# KiCad board PROC099A_PCB-PcbDoc.kicad_pcb (continued)
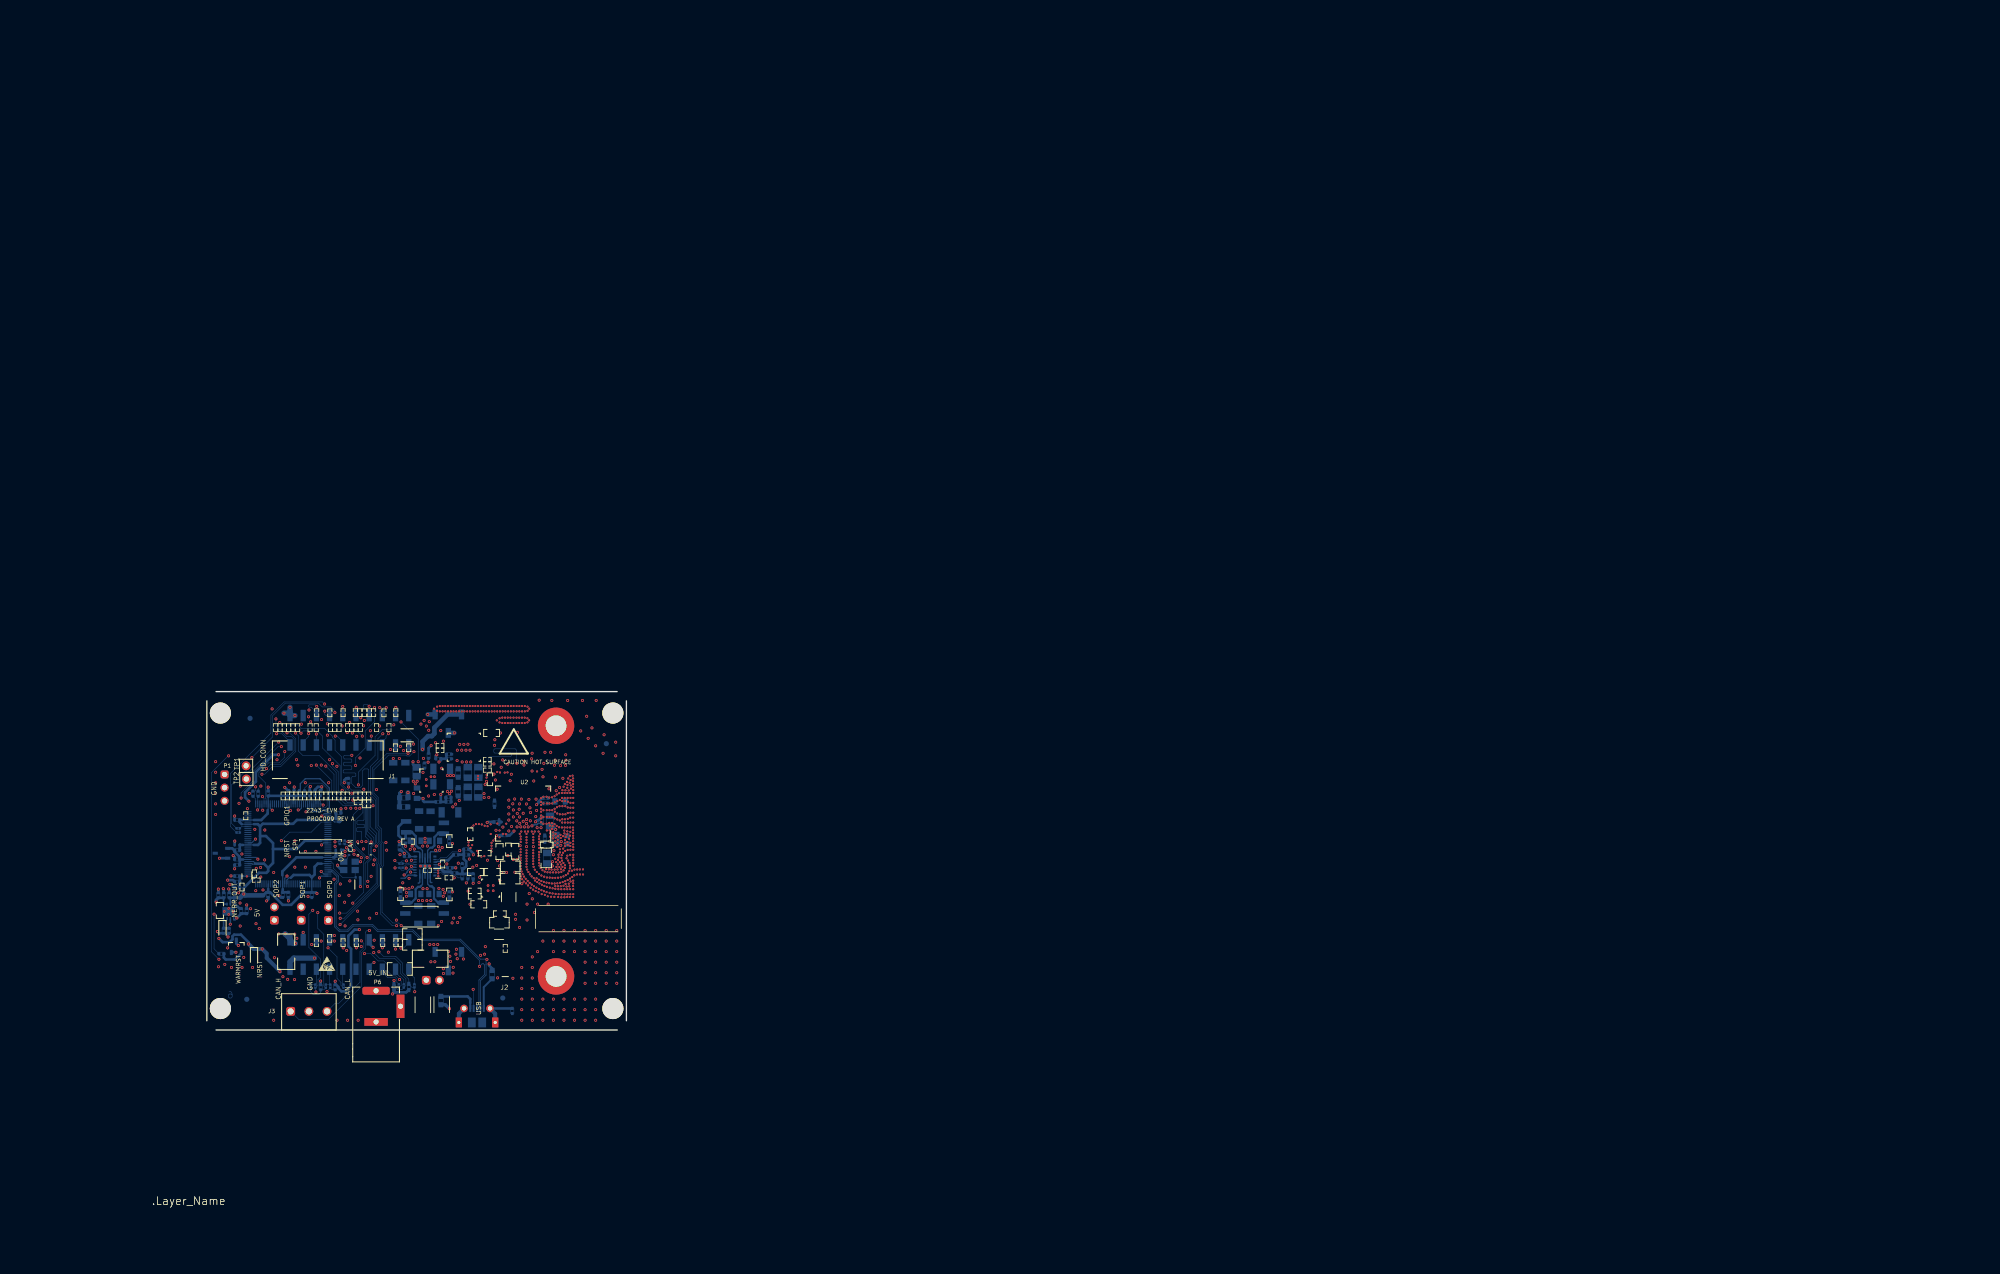
[diagram p0: board, top side]
## Nets (continued)
Pads without a net: FID1 1; FID2 1; FID3 1; FID4 1; FID5 1; FID6 1; FID7 1; J1 15 17 19 21 23 25 27 29 31 33 35 37 39 41 43 45 47 49; J5 3 11; J6 4 7 20; J8 7 8; NOREF 0 1; SW1 1 3; SW2 1 3; U2 B15 D1; U5 9 17; U6 2 3 4 5 6 11 12 13 14 15 18 19 20 21 22 23 24 27 29 30 31 32 41 42 43 44 45 46 49 50 53 54 56 57 65 67 71 72 73 74 75 76 77 78 81 82 83 84 85 86 91 92 97 98 99 100 102 103 104 105 106 107 108 109 110 111 112 116 117 118 119 120 121 123 124 125 126 127 128; U7 3; U9 7; U13 9 12

## Via types
v1: diameter 0.569, hole 0.31, Top to Bottom, 621 vias
v2: diameter 0.4, hole 0.15, Top to Bottom, 508 vias
v3: diameter 0.5, hole 0.2, Top to Bottom, 15 vias

## Routing (per net, layer and track width the routed paths; a pad name or vN(x,y) marks a point on that pad's centre or on a via; arc(x,y) is an arc through that point)
3V3_BRD: length 164.1
  In2.Cu w0.508: v1(38.93,29.2) 37.31,29.2 34.71,26.6 30.87,26.6 30.2,27.28 30.2,27.87 27.93,30.14 24.11,30.14 23.19,29.23 23.19,28.26 v1(21.2,26.28)
  Bottom w0.203: 15.77,45.08 15.77,45.09 ; 22.09,32.03 23.31,32.03 U6.90 ; 16.17,29.31 15.84,29.31 15.41,28.88 U6.113 ; C42.2 15.77,44.68 15.59,44.5 15.19,44.5 15.01,44.32 U6.47 ; 6.96,40.43 9.05,40.43 ; 20.21,26.48 20.21,29.39 ; 21.84,40.44 21.85,40.43 24.21,40.43 24.58,40.05 25.29,40.05 ; 21.94,36.43 U6.79 ; U6.52 17.01,44.87 16.79,45.09 16.61,44.9 U6.51 ; U6.8 8.99,32.43 9.32,32.1 9.32,32.03 9.22,31.93 8.76,31.93 8.66,32.03 U6.7 ; 6.96,35.63 9.02,35.63 ; 11.81,27.17 U6.122 ; 11.81,42.45 11.81,45.03 ; 6.72,39.63 9.08,39.63
  Bottom w0.213: 11.81,45.03 11.82,45.04 ; 11.7,42.34 11.81,42.45 ; 20.21,26.48 20.21,26.48 ; 25.29,40.05 25.3,40.07
  Bottom w0.305: 5.84,23.86 5.47,24.23 U9.4 5.18,25.27 5.37,25.46 ; 4.31,25.46 4.53,25.24 U9.3
  Bottom w0.508: 25.3,40.07 25.58,40.07 25.81,40.3 25.81,40.72 ; 12.74,34.85 12.74,35.98 11.38,37.34 10.26,37.34 ; 12.74,34.85 12.74,32.15 11.81,31.21 ; 12.74,34.85 17.29,34.85 18.87,36.43 21.94,36.43 ; 6.33,34.6 6.33,35.61 6.35,35.63 6.96,35.63 ; 11.8,26.51 11.81,26.52 11.81,27.17 ; 11.8,26.51 11.43,26.51 10.84,25.92 ; 11.8,26.51 12.19,26.51 14.6,24.1 16.24,24.1 18.62,26.48 21,26.48 v1(21.2,26.28) ; 11.81,31.21 10.99,32.03 9.32,32.03 ; 11.81,31.21 11.81,30.6 11.47,30.26 10.03,30.26 7.11,27.34 v1(7.11,26.17) ; 9.02,35.63 9.87,35.63 10.26,36.02 10.26,37.34 ; 16.17,29.31 16.71,29.84 19.75,29.84 20.21,29.39 20.75,29.93 20.75,31.42 21.36,32.03 22.09,32.03 ; 9.05,40.43 10.47,40.43 11.7,41.66 11.7,42.34 ; 10.26,37.34 10.26,39.19 ; 5.84,23.86 6.32,23.38 6.62,23.38 ; 10.26,39.19 9.82,39.63 9.08,39.63 ; 10.26,39.19 10.76,39.7 16.61,39.7 17.34,40.44 21.84,40.44 ; 11.82,45.04 11.87,45.09 16.79,45.09 16.8,45.1 18.81,45.1 ; 6.72,39.63 6.32,40.03 6.32,40.43 6.32,40.43 6.96,40.43 ; 4.31,25.46 6.39,25.46
  Bottom w0.889: 6.39,25.46 v1(7.11,26.17) 7.36,25.92 10.84,25.92
  In7.Cu w0.381: 47.28,30.21 R183.2 47.85,30.21 48.32,29.73 48.32,29.1 47.94,28.71 45.84,28.71 45.54,29.02 42.4,29.02 41.81,29.61 41.81,29.78 ; v1(7.11,26.17) 6.77,26.51 R188.1 6.42,27.2 6.18,27.44 R184.2 6.18,29.39
  In7.Cu w0.508: v1(38.93,29.2) 40.72,29.2 41.3,29.78 R179.2 41.81,29.78 ; R187.2 7.71,26.78 v1(7.11,26.17)
3V3_MON_XDS_1: length 2.7
  Bottom w0.305: 3.23,19.59 3.23,21.23
  Bottom w0.508: 3.23,19.59 4.27,19.59 4.28,19.59
5V_IN: length 69
  In2.Cu w0.508: v1(51.28,28.24) 51.28,28.77 49.8,30.24 44.74,30.24 43.8,31.18 43.8,32.22 42.41,33.61 38.62,33.61 38.31,33.3 37.91,33.3 36.53,31.92 35.94,31.92 35.84,31.82 v1(32.05,31.82)
  Bottom w0.508: v1(2.32,17.63) 3.03,16.92 4.42,16.92 4.94,17.44 4.94,18.04 5.25,18.35 6.56,18.35 8.05,16.87 v1(8.05,16.56) ; v1(51.28,28.24) 51.28,28.25 R149.2 51.28,29.1
  Bottom w0.762: v1(8.05,16.56) 9.01,15.6 v1(10.66,15.6) 11.53,14.73 11.53,13.87 14.07,11.33 v1(14.07,11.25)
  In7.Cu w0.508: R78.2 31.4,31.82 v1(32.05,31.82) ; 8.78,16.58 8.1,16.58 8.1,16.56 v1(8.05,16.56) ; v1(51.28,28.24) 50.55,27.52 50.39,27.52 50.34,27.47 50.03,27.47 46.24,23.67 46.24,19.73 44.99,18.48 FB2.2 FB1.2 ; v1(10.66,15.6) 10.66,14.78 10.45,14.57 ; 2.32,16.83 v1(2.32,17.63)
  In7.Cu w0.762: R176.2 1.19,20.89 1.19,18.24 1.8,17.63 v1(2.32,17.63)
  vias: v1(14.65,10.26) v1(15.56,9.75) v1(16.88,9.7) v1(41.22,58.9) v1(41.83,59.61) v1(42.26,58.52) v1(42.72,57.71) v1(42.82,59.36)
5V_UNREG: length 45.2
  Bottom w0.254: U8.18 44.9,31.32 45,31.42 45.61,31.42 45.8,31.23 C68.2 46.21,31.31 v1(46.21,31.97) ; U8.22 43.01,28.52 43.13,28.39 43.33,28.39 ; U8.26 41.01,28.48 40.81,28.29 40.67,28.29 ; 44.51,34.32 43.15,34.32 43.01,34.18 U8.13 ; U8.9 41.01,34.12 40.79,34.33 39.84,34.33
  In6.Cu w0.1: 46.23,11.99 46.23,10.97 46.74,10.97 46.74,11.99 ; 43.69,14.53 43.69,15.54 44.2,15.54 44.2,14.53 ; 49.28,14.53 49.28,15.54 48.77,15.54 48.77,14.53 ; 42.68,11.99 50.3,11.99 50.3,14.53 42.68,14.53 42.68,11.99
  In7.Cu w0.635: v1(46.91,13.21) 46.88,13.18 46.03,13.18 45.43,13.77 ; 45.43,13.77 46.35,13.77 v1(46.78,14.2) ; 45.43,13.77 45.43,14.33 46.2,15.09 v1(46.55,15.09)
  vias: v1(38.2,27.17) v1(38.42,26.45) v1(38.42,25.74) v1(38.91,27.22) v1(39.16,34.79) v1(39.52,35.42) v1(39.57,27.5) v1(39.95,34.84) v1(44.06,34.6) v1(44.59,35.29) v1(44.67,27.27) v1(44.82,34.62) v1(45.3,35.14) v1(45.49,27.06) v1(45.51,25.74) v1(45.53,11.78) v1(45.79,26.4) v1(47.43,12.07) v1(47.95,14.61)
+3.3VD: length 257.2
  In2.Cu w0.508: v1(56.94,51.99) 56.94,54.39 v1(55.44,55.89) 54.61,56.71 48.27,56.71 46.2,54.64 44.68,54.64 v1(44.01,55.31) ; v1(21.91,9.42) 21.94,9.39 v1(24.71,9.39) 34.61,9.39 35.76,8.24 v1(35.76,6.93) ; v1(37.43,45.9) 37.43,47.38 41.69,51.64 v1(41.69,52.3)
  In2.Cu w0.635: v1(32.24,34.59) 32.97,34.59 v1(34.47,36.09)
  In2.Cu w0.762: P4.2 25.71,23.65 27.48,21.89 27.48,21.2 v1(29.36,19.32)
  In2.Cu w0.889: v1(3.44,36.12) 3.44,33.54 4.7,32.28 6.19,32.28 8.21,30.26 8.21,26.33 8.58,25.97 8.58,25.11 ; 8.58,25.11 8.88,24.8 8.88,23.8 v1(8.43,23.35) ; 8.58,25.11 7.05,25.11 v1(6.39,24.45) ; P4.2 23.4,25.65 24.76,27.01 26.27,27.01 v1(27.35,25.93)
  In2.Cu w1.016: P4.2 22.04,23.65 21.58,24.12 18.61,24.12 P2.2 13.01,23.68 P3.2 8.75,23.67
  In3.Cu w0.508: v1(13.81,52.98) 12.54,54.25 12.54,57.86 13.05,58.37 17.69,58.37 v1(18.22,58.89) 19.58,60.25 v1(19.58,60.3) 18.65,61.22 18.65,61.99 20.35,63.69 23.56,63.69 27.14,60.11 v1(29.63,60.11) 29.68,60.11 30.61,61.04 41.51,61.04 42.18,61.71 44.21,61.71 46.17,59.75 46.17,57.47 v1(44.01,55.31) 44.01,54.16 42.15,52.3 v1(41.69,52.3)
  In3.Cu w0.635: v1(27.35,25.93) 28.43,27.02 28.43,28.46 30.69,30.72 32.05,30.72 32.94,31.62 32.94,33.13 32.24,33.84 v1(32.24,34.59)
  In3.Cu w0.762: v1(56.94,51.99) 57.05,52.11 58.29,52.11 58.83,51.56 58.83,50.41 59.63,49.61 59.63,48.62 59.01,47.99 v1(58.39,47.99)
  In3.Cu w1.016: v1(2.24,12.17) 1.85,12.17 1.24,12.78 1.24,14.93 3.22,16.9 5.4,16.9 8.43,19.93 v1(8.43,23.35)
  Bottom w0.508: 38.88,7.79 38.88,7.76 38.37,7.25 36.34,7.25 ; 36.34,7.25 36.02,7.57 R171.2 36.02,7.79 ; 36.34,7.25 36.07,7.25 v1(35.76,6.93) ; v1(24.71,9.39) R172.2 24.87,8.72 25.32,8.27 25.32,8.04 25.91,7.45 26.69,7.45 27.76,8.52 27.76,15.62 27.25,16.13 27.25,18.13 28.43,19.32 v1(29.36,19.32) ; R173.2 v1(21.91,9.42) ; v1(13.81,52.98) 12.77,52.98 9.44,49.66 9.44,47.83 7.36,45.75 7.36,44.79 v1(8.1,44.06)
  Bottom w0.635: v1(37.43,45.9) 37.12,45.59 R130.2
  Bottom w0.762: R130.2 37.08,44.69 R133.2
  In7.Cu w0.2: U13.14 v1(32.24,34.59)
  In7.Cu w0.254: v1(27.35,25.93) 28.07,26.66 32.93,26.66 34.27,25.32 R178.1
  In7.Cu w0.305: U2.R13 57.64,47.17
  In7.Cu w0.381: R38.2 44.22,55.51 v1(44.01,55.31) ; 42.68,53.67 42.68,53.28 v1(41.69,52.3)
  In7.Cu w0.5: R189.2 v1(2.24,12.17)
  In7.Cu w0.508: v1(34.47,36.09) 34.47,35.61 R125.2 ; C90.2 32.94,34.59 v1(32.24,34.59) ; v1(29.63,60.11) 29.63,59.52 R15.2 ; 7.7,23.35 v1(8.43,23.35) ; R68.2 8.12,44.08 v1(8.1,44.06) 7.35,43.31 7.35,43.19 6.52,42.35 6.52,39.2 v1(3.44,36.12) 3.44,35.14 ; R91.2 v1(6.39,24.45) ; 29.08,25.34 27.69,25.34 27.68,25.35 27.68,25.6 v1(27.35,25.93) ; 18.82,59.93 19.21,59.93 v1(19.58,60.3) ; R37.1 v1(55.44,55.89) ; 57.64,47.17 C5.1 57.66,47.99 v1(58.39,47.99) ; R41.2 v1(56.94,51.99) ; v1(18.22,58.89) 18.82,58.89
GND: length 338.8
  Bottom w0.203: U6.58 19.41,42.33 v1(19.09,42.01) ; U6.48 15.41,42.75 15.92,42.24 v1(16.1,42.24) ; v1(22.4,43.31) 22.18,43.53 U6.64 ; v1(9.82,32.89) 9.49,33.23 U6.10 ; U6.55 18.21,42.7 17.88,42.37 v1(17.6,42.37) ; U6.66 22.57,41.63 v1(22.14,41.2) ; U6.17 8.64,36.03 v1(9.37,36.75) ; v1(15.44,29.64) 15.01,29.21 U6.114 ; v1(22.09,35.64) 22.48,36.03 U6.80
  Bottom w0.25: U8.11 v3(42.01,31.57) U8.24
  Bottom w0.254: U8.17 44.67,31.82 v1(44.75,31.9) ; U8.4 39.75,31.32 39.57,31.5 v1(39.36,31.5)
  Bottom w0.29: 64.51,39.78 63.76,39.78 63.54,39.55 63.52,39.55 63.51,39.55 63.06,39.55 63.05,39.55 63.03,39.55 62.78,39.3
  Bottom w0.305: v1(4.51,20.37) 4.53,20.37 4.53,21.23 ; v1(62.59,39.3) 62.78,39.3
  Bottom w0.508: R132.1 41.83,43.92 41.63,44.13 v1(41.63,44.59) 40.45,44.59 ; v1(5.35,41.2) 5.34,41.2 5.34,40.43 ; v1(53.97,39.95) 54.04,39.95 54.13,40.04 C53.2 55.29,40.04 ; v1(25.16,31.73) 25.16,31.56 25.93,30.8 Y2.4 ; v1(47.92,31.22) 47.91,31.23 C68.1 ; C64.1 v1(26.57,33.55) ; R119.1 42.69,54.28 v1(43.17,54.76) ; 5.35,32.83 5.35,33.3 v1(5.07,33.58) ; 5.36,35.63 5.36,36.37 v1(5.38,36.37) ; 21.84,46.06 22.12,46.34 v1(22.12,46.81) 21.38,46.81 20.84,46.27 R126.2 20.84,46.06 ; v1(15.7,24.86) 15.7,25.52 C74.1 ; v1(7.67,24.08) R157.1 7.67,23.37 ; 5.36,29.62 C69.1 5.33,29.62 5.28,29.67 v1(4.64,29.67) ; C56.2 55.81,37.49 v1(55.75,37.42) ; v1(26.61,34.35) 26.32,34.65 25.83,34.65 ; v1(3.17,27.2) 3.26,27.11 C79.1 3.26,26.43 ; v1(11.8,46.76) 11.8,46.75 11.8,46.04 11.82,46.02 ; C76.1 11.8,25.15 v1(11.51,24.85) ; 16.79,46.07 16.79,46.74 v1(16.83,46.79) ; v1(19.93,46.89) 19.82,46.77 R194.1 19.82,46.06 ; 5.35,26.44 6.01,26.44 6.01,26.42 v1(6.12,26.42) ; R138.1 37.1,36.21 v1(37.01,36.3) ; v1(4.44,28.03) 4.7,28.03 5.3,27.44 R153.1 5.37,27.44 ; v1(39.69,51.65) 39.69,51.14 40.22,50.62 40.4,50.62 ; v1(15.01,46.71) 15.65,46.07 15.77,46.07 ; Y2.2 v1(29.58,32.4) ; v1(51.3,33.73) 51.3,33.99 50.49,34.8 R139.1 50.42,34.8 ; v1(2.22,27.13) C80.1 2.22,26.42 ; 4.28,18.63 R158.1 4.08,18.41 v1(4.08,17.91) ; R121.1 44.07,52.8 v1(44.27,52.99) ; 14.62,25.54 14.21,25.54 v1(13.86,25.88) ; R196.1 26.83,48.47 26.45,48.08 v1(26.45,47.61) ; v1(29.56,27.61) 29.56,29.38 ; 2.43,33.08 3.97,33.08 ; C49.1 v1(25.83,42.59) ; v1(26.88,35.09) 27.37,34.6 ; v1(5.35,31.04) 5.35,31.78 ; 4.72,14.97 v1(5.61,14.97)
  Bottom w0.635: J5.4 v1(18.55,18.79) ; R175.1 45.93,4.86 v1(46.69,4.1) ; 66.06,39.33 66.43,39.33 v1(67.15,38.61)
  Bottom w0.889: J4.2 v1(47.64,57.2) ; v1(42.54,60.76) J4.1
  Bottom w1.016: 16.01,61.01 J6.2 v1(16.96,60.53) ; 16.01,61.01 v1(14.85,61.01) ; 16.01,61.01 v1(16.01,62.13)
  In5.Cu w0.1: 1.91,16.16 3.71,16.16 3.71,15.46 1.91,15.46 1.91,16.16 ; 50.31,26.23 52.81,26.23 52.81,27.33 50.31,27.33 50.31,26.23 ; 54.75,33.5 54.75,34.6 52.25,34.6 52.25,33.5 54.75,33.5 ; 8.38,28.23 9.08,28.23 9.08,26.43 8.38,26.43 8.38,28.23 ; 53.29,54.46 55.09,54.46 55.09,55.16 53.29,55.16 53.29,54.46 ; 20.91,34.87 20.91,35.87 22.91,35.87 22.91,34.87 20.91,34.87 ; 52.25,32.04 54.05,32.04 54.05,31.34 52.25,31.34 52.25,32.04 ; 50.31,25.2 50.31,26.3 52.81,26.3 52.81,25.2 50.31,25.2 ; 50.8,24.93 53.9,24.93 53.9,23.48 50.8,23.48 50.8,24.93 ; 53.27,56.46 56.37,56.46 56.37,57.91 53.27,57.91 53.27,56.46 ; 12.66,14.23 12.66,16.03 13.36,16.03 13.36,14.23 12.66,14.23 ; 57.99,47.57 57.99,49.37 57.29,49.37 57.29,47.57 57.99,47.57 ; 32.55,24.5 33.25,24.5 33.25,22.7 32.55,22.7 32.55,24.5 ; 55.62,32.8 55.62,35.9 57.07,35.9 57.07,32.8 55.62,32.8 ; 26.87,22.51 26.87,24.31 26.17,24.31 26.17,22.51 26.87,22.51 ; 32.7,59.97 33.4,59.97 33.4,61.77 32.7,61.77 32.7,59.97 ; 45.86,29.7 47.36,29.7 47.36,28.9 45.86,28.9 45.86,29.7 ; 40.1,44.93 41.9,44.93 41.9,45.63 40.1,45.63 40.1,44.93
  In6.Cu w0.1: 39.73,46.69 41.18,46.69 41.18,44.49 39.73,44.49 39.73,46.69 ; 55.66,9.12 55.66,12.22 54.21,12.22 54.21,9.12 55.66,9.12
  In5.Cu w0.127: 6.42,14.98 6.82,14.98 6.82,15.51 7.12,15.51 7.12,16.81 5.87,16.81 5.87,17.35 5.47,17.35 5.47,16.81 4.22,16.81 4.22,15.51 4.52,15.51 4.52,14.98 4.92,14.98 4.92,15.51 6.42,15.51 6.42,14.98
  In6.Cu w0.127: 3.48,32.55 3.48,35.47 2.18,35.47 2.18,32.55 3.48,32.55 ; 1.57,33.79 2.18,33.79 2.18,34.24 1.57,34.24 1.57,33.79 ; 7.12,15.5 7.12,16.8 5.87,16.8 5.87,17.33 5.47,17.33 5.47,16.8 4.22,16.8 4.22,15.5 4.52,15.5 4.52,14.96 4.92,14.96 4.92,15.5 6.42,15.5 6.42,14.96 6.82,14.96 6.82,15.5 7.12,15.5 ; 3.82,34.74 4.09,34.74 4.09,35.19 3.48,35.19 3.48,34.74 3.82,34.74 ; 3.82,32.84 4.09,32.84 4.09,33.28 3.48,33.28 3.48,32.84 3.82,32.84
  In7.Cu w0.178: 61.51,42.32 U2.J7 61.55,42.32 ; v1(61.54,40.52) U2.G7 61.54,41.02
  In7.Cu w0.198: v1(27.77,35.72) 28.16,35.33 28.41,35.33 28.75,34.99 U13.6
  In7.Cu w0.229: U2.K9 60.24,42.62 v1(60.13,42.5)
  In7.Cu w0.24: U5.3 U5.13
  In7.Cu w0.254: U2.D15 55.91,39.07 55.67,38.83 v1(55.67,38.45) ; 23.54,49.17 23.54,47.69 v1(23.45,47.61) ; v1(60.13,42.5) 59.94,42.32 U2.J10 ; v2(52.93,39.57) 52.85,39.65 v2(52.37,39.65) ; v2(50.95,38.99) v2(51.33,39.37) ; v2(57.35,49.56) 57.35,49.2 57.6,48.95 57.64,48.95 57.88,49.19 v2(57.88,49.61) ; 26.54,49.17 26.54,47.69 v1(26.45,47.61) ; U2.J7 U2.K7 62.01,42.97 v1(62.2,42.77) ; U2.H11 59.72,41.67 v1(59.76,41.7) ; v1(18.96,47.61) 19.04,47.69 19.04,49.17 ; v1(17.52,50.98) 17.54,50.98 17.54,49.17 ; v2(54.63,39.6) 54.4,39.6 v2(54.04,39.24) 53.97,39.32 v2(53.49,39.32) ; v2(55.14,36.47) v2(55.52,36.86) ; v2(52.85,33.38) 52.39,33.38 v2(52.27,33.5) ; v2(56.43,49.58) 56.43,49.25 56.15,48.97 56.09,48.97 55.9,49.15 v2(55.9,49.68) ; 54.49,48.76 54.32,48.59 v2(53.84,48.59) ; U10.3 52.3,13.98 v1(52.7,14.38) ; 20.54,49.17 J1.42 20.54,50.49 20.11,50.91 ; U1.4 47.01,52.53 47.66,51.88 v1(48.18,51.88) ; v2(50.77,35.05) 50.77,35.13 v2(50.36,35.53) ; v1(15.94,47.6) 16.04,47.69 16.04,49.17 ; J1.24 v1(25.04,50.77) ; U2.G10 v1(60.19,41.02) ; v2(52.22,48.92) 52.58,48.92 C7.2 52.7,48.46 52.29,48.46 v2(52.22,48.39) ; 22.04,49.17 v1(22.04,51) ; U2.R15 56.19,46.36 v1(55.9,46.36) ; 53.87,49.12 54.2,49.12 54.49,48.83 54.49,48.76 ; v2(7.71,29.57) U12.2 ; v2(54.81,35.48) v2(54.81,36.04) ; U2.E15 55.96,39.72 v2(55.93,39.75) ; v2(54.81,34.37) v2(54.81,34.92) ; v1(65.87,46.44) 65.64,46.22 U2.R1
  In7.Cu w0.279: U2.L10 U2.K10 U2.K11
  In7.Cu w0.305: U4.4 53.32,28.38 v1(52.39,28.38)
  In7.Cu w0.381: v1(6.46,46.98) C8.2 ; v1(13.51,52.04) J1.MP4 15.23,52.04 ; 20.12,52.04 J1.MP3 v1(17.26,52.04) ; v2(52.25,34.06) 52.9,34.06 ; v1(59.67,40.26) 59.57,40.37 U2.F11 ; U2.E11 58.88,39.78 57.71,39.78 v2(57.64,39.72) ; v1(23.64,52.04) J1.MP2 26.47,52.04 ; 7.49,38.98 8.9,38.98 v1(9.24,38.63) ; v1(47.62,29.3) 47.61,29.3 R181.2 ; v1(10.34,31.29) 10.34,32.04 ; 31.36,52.04 J1.MP1 29.82,52.04 v1(29.48,52.37) ; v1(11.13,32.74) SW2.5
  In7.Cu w0.483: v1(41.61,49.58) 40.43,49.58 R47.2 ; v1(39.69,51.65) 39.69,51.27 40.23,50.73 C44.1
  In7.Cu w0.498: R88.1 v1(26.52,24.6)
  In7.Cu w0.5: v1(39.81,45.55) 40.07,45.28 C29.1
  In7.Cu w0.508: v1(47.92,31.22) C84.1 47.28,31.22 ; 6.62,14.99 6.62,14.45 v1(7.11,13.97) ; 51.08,26.78 R83.1 50.91,26.74 v1(50.31,26.74) ; 59.36,33.18 59.41,33.18 59.7,32.89 v1(59.7,32.8) ; v1(16.94,36.42) 17.99,35.37 S1.1 18.1,35.26 v1(18.97,34.39) ; v1(11.16,38.51) SW1.5 ; v1(31.63,29.59) U3.2 ; v1(58.99,32.8) 58.99,32.86 59.36,33.24 C13.2 ; v1(6.75,33.88) 6.75,33.91 7.09,33.91 7.58,34.4 ; 54.68,54.81 C2.1 v1(55.39,54.81) ; v1(57.94,33.59) 58.05,33.7 C12.2 ; 23.78,29.79 23.78,29.74 v1(24.48,29.03) ; 18.07,17.92 17.59,17.92 v1(17.32,17.65) ; C3.2 63.59,49.76 v2(63.57,49.78) ; 51.95,31.69 R81.1 ; 3.29,15.81 R110.1 v1(4.01,15.81) ; C16.1 31.51,32.73 v1(32.24,32.73) ; v1(32.66,22.44) 32.9,22.67 R86.2 ; 13.01,14.65 R114.1 v1(13.01,13.92) ; 8.76,26.82 v1(9.42,26.82) ; v1(25.5,25.87) 26.02,25.35 C20.1 ; v1(33.29,62.08) 33.05,61.83 R13.1 33.05,61.35 ; C91.1 51.21,30.7 v1(51.21,31.35) ; v1(50.67,24.2) C22.2 ; Y1.2 v2(54.65,37.74) ; v1(60.64,28.17) 59.67,29.15 C19.2 ; 31.36,21.52 31.36,22.19 ; v2(50.7,36.58) C9.2 ; v2(51.07,35.59) Y1.4
  In7.Cu w0.635: C1.1 v1(56.53,57.19) ; v1(55.97,10.03) J2.2 ; v1(58.92,9.96) J2.3 ; 8.56,20.47 v1(9.47,20.47)
  In7.Cu w0.762: C14.2 56.34,33 v1(55.98,32.63)
  In7.Cu w1.016: 59.31,30.58 59.31,31.38 C17.2
  vias: v1(1.7,51.66) v1(1.7,49.63) v1(1.7,47.6) v1(1.7,45.57) v1(1.7,43.54) v1(1.7,41.5) v1(2.43,33.07) v1(4.74,12.04) v1(6.78,12.04) v1(8.81,12.04) v1(9.52,31.13) v1(12.57,61.82) v1(12.87,30.33) v1(12.87,1.88) v1(15.92,33.38) v1(16.94,31.34) v1(18.97,31.34) v1(21,34.39) v1(25.06,1.88) v1(27.1,1.88) v1(29.03,22.89) v1(29.13,1.88) v1(31.35,21.52) v1(34.61,34.62) v1(35.89,52.27) v1(37.06,52.27) v1(37.71,28.33) v1(40.75,24.93) v1(41.51,24.93) v1(41.56,35.42) v1(41.61,27.21) v1(42.01,36.9) v1(42.01,36.17) v1(42.4,27.21) v1(42.35,24.93) v1(42.45,35.42) v1(42.93,16.46) v1(43.11,24.93) v1(43.13,13.13) v1(43.69,16.46) v1(43.89,13.14) v1(44.45,16.46) v1(44.56,20.08) v1(45.18,20.9) v1(45.55,10.88) v1(47.39,10.96) v1(48.23,53.87) v1(48.58,44.2) v1(48.69,54.99) v1(49.07,53.87) v1(49.15,51.61) v1(49.48,54.99) v1(49.88,53.87) v1(49.99,51.61) v1(50.26,55.02) v1(50.67,53.87) v1(50.8,51.61) v1(51.95,31.69) v1(53.36,45.52) v1(53.38,44.75) v1(54.27,44.78) v1(59.32,30.37) v1(59.43,22.28) v1(59.43,21.31) v1(59.72,39.1) v1(60.24,39.79) v1(60.2,19.75) v1(60.31,35.49) v1(60.44,39.1) v1(60.62,12.04) v1(60.62,10.01) v1(60.62,7.98) v1(60.62,5.94) v1(60.62,3.91) v1(60.62,1.88) v1(60.9,41.73) v1(60.9,40.19) v1(61.15,39.1) v1(61.54,39.76) v1(61.55,35.3) v1(61.64,24.23) v1(61.64,21.18) v1(61.86,39.1) v1(62.06,26.27) v1(62.31,41.87) v1(62.27,40.27) v1(62.66,25.25) v1(62.66,14.07) v1(62.66,12.04) v1(62.66,10.01) v1(62.66,7.98) v1(62.66,5.94) v1(62.66,3.91) v1(62.66,1.88) v1(62.86,35.3) v1(63.08,22.62) v1(63.67,24.23) v1(63.67,15.09) v1(63.98,63.5) v1(64.69,17.12) v1(64.69,5.94) v1(64.69,3.91) v1(64.69,1.88) v1(65.7,24.23) v1(65.98,36.35) v1(66.41,63.45) v1(66.54,32.4) v1(66.54,31.58) v1(66.72,19.15) v1(66.72,17.12) v1(66.72,15.09) v1(66.72,5.94) v1(66.72,3.91) v1(66.72,1.88) v1(67.25,46.07) v1(67.91,46.69) v1(68.14,35.56) v1(68.22,36.27) v1(68.75,19.15) v1(68.75,17.12) v1(68.75,15.09) v1(68.75,5.94) v1(68.75,3.91) v1(68.75,1.88) v1(69.46,63.45) v1(70.78,19.15) v1(70.78,17.12) v1(70.78,15.09) v1(70.78,5.94) v1(70.78,3.91) v1(70.78,1.88) v1(71.97,57.59) v1(72.31,63.45) v1(72.82,19.15) v1(72.82,17.12) v1(72.82,15.09) v1(72.82,13.06) v1(72.82,11.02) v1(72.82,8.99) v1(72.82,5.94) v1(72.82,3.91) v1(72.82,1.88) v1(73.12,60.4) v1(73.41,56.15) v1(74.14,58.17) v1(74.85,54.71) v1(74.85,19.15) v1(74.85,17.12) v1(74.85,15.09) v1(74.85,13.06) v1(74.85,11.02) v1(74.85,8.99) v1(74.85,5.94) v1(74.85,3.91) v1(74.85,1.88) v1(74.95,63.45) v1(76.28,53.27) v1(76.47,56.85) v1(76.88,19.15) v1(76.88,17.12) v1(76.88,15.09) v1(76.88,13.06) v1(76.88,11.02) v1(76.88,8.99) v1(78.71,55.42) v1(78.71,52.78) v1(78.91,19.15) v1(78.91,17.12) v1(78.91,15.09) v1(78.91,13.06) v1(78.91,11.02) v1(78.91,8.99) v2(43.75,61.86) v2(44.33,62.26) v2(44.33,61.46) v2(44.54,30.16) v2(44.55,30.7) v2(44.57,29.6) v2(44.86,62.38) v2(44.86,61.35) v2(45.38,62.38) v2(45.38,61.35) v2(45.91,62.38) v2(45.91,61.35) v2(46.44,62.38) v2(46.96,62.38) v2(47.49,62.38) v2(48.01,62.38) v2(48.54,62.38) v2(49.06,62.38) v2(49.59,62.38) v2(50.12,62.38) v2(50.12,61.35) v2(50.39,36.13) v2(50.64,62.38) v2(50.64,61.35) v2(51.17,62.38) v2(51.17,61.35) v2(51.69,62.38) v2(51.69,61.35) v2(51.81,39.65) v2(52.04,34.49) v2(52.22,62.38) v2(52.22,61.35) v2(52.74,62.38) v2(52.74,61.35) v2(53.27,62.38) v2(53.27,61.35) v2(53.41,33.48) v2(53.8,62.38) v2(53.8,61.35) v2(54.32,62.38) v2(54.32,61.35) v2(54.85,62.38) v2(54.85,61.35) v2(55.37,62.38) v2(55.37,61.35) v2(55.82,59.62) v2(55.9,62.38) v2(55.9,61.35) v2(56.34,38.42) v2(56.34,37.12) v2(56.42,62.38) v2(56.42,61.35) v2(56.35,60.02) v2(56.35,59.23) v2(56.88,60.14) v2(56.88,59.11) v2(56.95,62.38) v2(56.95,61.35) v2(56.99,37.77) v2(57.4,60.14) v2(57.4,59.11) v2(57.48,62.38) v2(57.48,61.35) v2(57.54,37.7) v2(57.93,60.14) v2(57.93,59.11) v2(58,62.38) v2(58,61.35) v2(58.53,62.38) v2(58.53,61.35) v2(58.45,60.14) v2(58.45,59.11) v2(59.03,60.14) v2(59.03,59.11) v2(59.05,62.38) v2(59.05,61.35) v2(59.64,62.38) v2(59.64,61.35) v2(59.62,60.14) v2(59.62,59.11) v2(60.14,60.14) v2(60.14,59.11) v2(60.16,62.38) v2(60.16,61.35) v2(60.24,37.77) v2(60.24,30.05) v2(60.42,37.25) v2(60.42,36.72) v2(60.42,36.2) v2(60.41,34.79) v2(60.4,34.25) v2(60.41,33.72) v2(60.4,33.18) v2(60.41,32.65) v2(60.41,32.12) v2(60.41,31.59) v2(60.53,38.21) v2(60.47,31.04) v2(60.5,29.57) v2(60.6,30.51) v2(60.69,62.38) v2(60.69,61.35) v2(60.67,60.14) v2(60.67,59.11) v2(60.7,29.03) v2(60.8,30) v2(61.03,28.58) v2(61.06,29.54) v2(61.21,62.38) v2(61.21,61.35) v2(61.19,60.14) v2(61.19,59.11) v2(61.26,38.21) v2(61.39,29.11) v2(61.54,37.77) v2(61.54,37.12) v2(61.54,36.59) v2(61.54,36.06) v2(61.54,34.58) v2(61.54,34.06) v2(61.54,33.53) v2(61.54,33) v2(61.54,32.48) v2(61.54,31.95) v2(61.54,31.43) v2(61.46,28.24) v2(61.74,62.26) v2(61.74,61.46) v2(61.72,60.02) v2(61.72,59.23) v2(61.66,30.89) v2(61.83,38.21) v2(61.77,28.7) v2(61.82,27.84) v2(61.91,30.42) v2(62.04,59.62) v2(62.06,61.86) v2(62.19,29.98) v2(62.15,28.32) v2(62.33,27.38) v2(62.52,29.57) v2(62.56,38.21) v2(62.55,27.99) v2(62.84,37.77) v2(62.84,37.12) v2(62.84,36.59) v2(62.84,36.06) v2(62.83,34.59) v2(62.83,34.07) v2(62.83,33.54) v2(62.83,33.01) v2(62.83,32.49) v2(62.83,31.96) v2(62.81,27.03) v2(62.91,31.42) v2(62.94,29.25) v2(62.99,27.69) v2(63.13,38.21) v2(63.14,30.86) v2(63.17,28.78) v2(63.29,26.75) v2(63.44,27.41) v2(63.52,30.43) v2(63.48,29.2) v2(63.6,28.49) v2(63.86,38.21) v2(63.92,28.91) v2(63.93,27.15) v2(63.85,26.52) v2(63.96,37.26) v2(63.96,36.74) v2(63.96,36.22) v2(63.96,35.69) v2(63.97,35.02) v2(63.96,34.29) v2(63.96,33.76) v2(63.96,33.24) v2(63.96,32.71) v2(63.96,32.18) v2(64.03,31.66) v2(63.95,30.05) v2(64.04,28.2) v2(64.14,37.77) v2(64.26,31.18) v2(64.35,44.64) v2(64.35,43.9) v2(64.35,43.34) v2(64.35,42.6) v2(64.35,42.04) v2(64.35,41.3) v2(64.35,40.74) v2(64.35,40) v2(64.41,29.74) v2(64.39,28.69) v2(64.41,26.92) v2(64.51,27.96) v2(64.46,26.16) v2(64.61,30.77) v2(64.8,44.9) v2(64.79,43.62) v2(64.79,42.32) v2(64.79,41.02) v2(64.79,39.72) v2(64.94,29.51) v2(64.89,28.51) v2(64.89,26.72) v2(64.98,27.74) v2(65.06,30.49) v2(65.07,26.01) v2(65.3,30.98) v2(65.39,44.9) v2(65.44,43.62) v2(65.44,42.32) v2(65.44,41.02) v2(65.39,39.72) v2(65.39,28.37) v2(65.4,26.54) v2(65.45,38.42) v2(65.47,29.36) v2(65.48,27.56) v2(65.58,30.37) v2(65.63,25.73) v2(65.83,30.94) v2(65.92,44.76) v2(65.92,39.87) v2(65.91,28.27) v2(65.97,43.62) v2(65.97,42.32) v2(65.97,41.02) v2(66.03,39.34) v2(66.01,38.43) v2(66.01,29.34) v2(66.02,27.41) v2(66,26.4) v2(66.06,37.87) v2(66.06,37.24) v2(66.11,30.34) v2(66.27,25.65) v2(66.44,38.73) v2(66.36,30.89) v2(66.43,28.21) v2(66.45,44.8) v2(66.49,43.62) v2(66.49,42.32) v2(66.49,41.02) v2(66.45,39.83) v2(66.54,29.29) v2(66.57,39.24) v2(66.62,36.89) v2(66.62,35.99) v2(66.57,35.36) v2(66.56,27.28) v2(66.56,26.29) v2(66.67,38.05) v2(66.69,37.44) v2(66.66,30.34) v2(66.94,45.01) v2(66.94,39.62) v2(66.9,25.62) v2(66.97,43.84) v2(66.95,42.59) v2(67,42.03) v2(66.95,40.74) v2(66.95,30.89) v2(66.95,28.2) v2(67.08,36.32) v2(67.05,35.61) v2(67.08,32.97) v2(67.08,29.29) v2(67.09,27.7) v2(67.09,27.18) v2(67.14,37.77) v2(67.17,37.04) v2(67.19,30.34) v2(67.14,26.2) v2(67.25,32.32) v2(67.3,31.4) v2(67.35,45.34) v2(67.4,42.89) v2(67.35,39.3) v2(67.47,44.07) v2(67.45,41.69) v2(67.46,40.54) v2(67.51,35.94) v2(67.46,35.23) v2(67.51,30.91) v2(67.47,28.25) v2(67.62,37.31) v2(67.56,36.62) v2(67.61,32.72) v2(67.56,31.88) v2(67.61,29.31) v2(67.61,27.67) v2(67.63,25.6) v2(67.68,33.76) v2(67.71,33.23) v2(67.72,30.34) v2(67.66,27.12) v2(67.72,26.15) v2(67.82,45.59) v2(67.82,39.04) v2(67.9,43.08) v2(67.94,32.31) v2(67.86,31.38) v2(67.95,44.3) v2(67.96,41.53) v2(67.95,40.35) v2(67.96,34.8) v2(67.99,34.19) v2(67.99,28.34) v2(68.08,37.58) v2(68.13,36.98) v2(68.14,29.39) v2(68.13,27.68) v2(68.2,31.86) v2(68.16,30.95) v2(68.23,27.11) v2(68.24,25.55) v2(68.32,33.66) v2(68.26,33.13) v2(68.24,30.43) v2(68.3,26.14) v2(68.35,45.64) v2(68.42,40.57) v2(68.42,39.94) v2(68.35,38.99) v2(68.37,32.61) v2(68.45,46.18) v2(68.45,43.1) v2(68.49,41.52) v2(68.46,31.4) v2(68.5,28.47) v2(68.57,37.32) v2(68.6,34.92) v2(68.57,34.12) v2(68.64,32.16) v2(68.68,46.84) v2(68.68,30.73) v2(68.65,29.57) v2(68.66,27.77) v2(68.81,38.41) v2(68.83,37.85) v2(68.83,27.11) v2(68.83,25.56) v2(68.92,47.35) v2(68.88,45.64) v2(68.88,38.99) v2(68.88,35.94) v2(68.93,35.38) v2(68.93,31.71) v2(68.94,31.19) v2(68.87,26.13) v2(69.03,46.15) v2(69,43.09) v2(69.02,41.54) v2(68.95,40.57) v2(68.95,39.94) v2(68.95,36.58) v2(68.97,34.48) v2(68.99,28.65) v2(69.08,37.19) v2(69.11,29.82) v2(69.06,28.12) v2(69.34,47.77) v2(69.25,33.06) v2(69.25,27.61) v2(69.44,47.19) v2(69.39,46.63) v2(69.4,45.64) v2(69.4,38.99) v2(69.39,38.24) v2(69.35,37.65) v2(69.39,36.18) v2(69.39,33.56) v2(69.38,27.11) v2(69.43,26.14) v2(69.35,25.61) v2(69.47,42.84) v2(69.48,41.78) v2(69.48,40.65) v2(69.48,39.94) v2(69.46,35.61) v2(69.46,34.67) v2(69.54,32.62) v2(69.53,30.13) v2(69.46,28.88) v2(69.56,48.43) v2(69.67,46.13) v2(69.72,36.83) v2(69.68,28.18) v2(69.79,32.17) v2(69.76,30.6) v2(69.78,27.65) v2(69.88,48.88) v2(69.84,47.6) v2(69.94,45.65) v2(69.94,38.98) v2(69.91,37.43) v2(69.91,31.66) v2(69.89,31.13) v2(69.91,29.14) v2(69.94,27.11) v2(69.87,25.61) v2(70.02,48.13) v2(70.01,44.69) v2(70.01,43.74) v2(69.99,42.79) v2(70,41.84) v2(69.96,40.88) v2(70,39.94) v2(69.97,38.16) v2(69.99,36.04) v2(69.97,35.43) v2(70,34.71) v2(69.95,33.72) v2(70.03,28.6) v2(69.98,26.14) v2(70.05,47.09) v2(70.1,46.48) v2(70.28,30.68) v2(70.34,29.45) v2(70.4,48.97) v2(70.5,48.44) v2(70.5,47.9) v2(70.5,47.37) v2(70.5,46.84) v2(70.53,46.18) v2(70.53,45.64) v2(70.53,44.69) v2(70.53,43.74) v2(70.53,42.79) v2(70.53,41.84) v2(70.52,40.89) v2(70.53,39.94) v2(70.5,38.99) v2(70.5,38.46) v2(70.51,37.94) v2(70.5,37.42) v2(70.52,36.89) v2(70.52,36.35) v2(70.52,35.75) v2(70.53,35.23) v2(70.53,34.7) v2(70.53,33.74) v2(70.52,33.22) v2(70.53,32.69) v2(70.52,32.17) v2(70.53,31.65) v2(70.52,28.76) v2(70.52,28.23) v2(70.5,27.71) v2(70.53,27.1) v2(70.53,26.15) v2(70.52,25.61) v2(70.74,29.79) v2(70.77,30.88) v2(71.29,30.9) v2(71.27,29.94) v2(71.81,30.91) v2(71.85,29.94) v2(72.41,30.92) v2(72.42,29.94) v3(3.35,22.82) v3(4.21,23.41) v3(4.21,22.26) v3(5.05,22.82) v3(41.14,31.57) v3(42.24,48.23) v3(42.24,47.01) v3(42.88,31.57) v3(43.15,48.77) v3(43.82,48.77) v3(54.13,27.82) v3(54.13,26.82) v3(55.13,27.82) v3(55.13,26.82)